# Altium PCB 11BRANMB10H_20170919.pcbdoc (part 6 of 7)
Units mm, origin at the board's own origin, x right, y up, seen from the top; angles counter-clockwise.
Board outline 91.65 x 48.25 mm, 6 copper layers (TOP, GND1, Singal, POWER, GND2, BOTTOM), stack 0.8 mm thick; 367 components, 288 nets, 1408 pads, 965 vias.
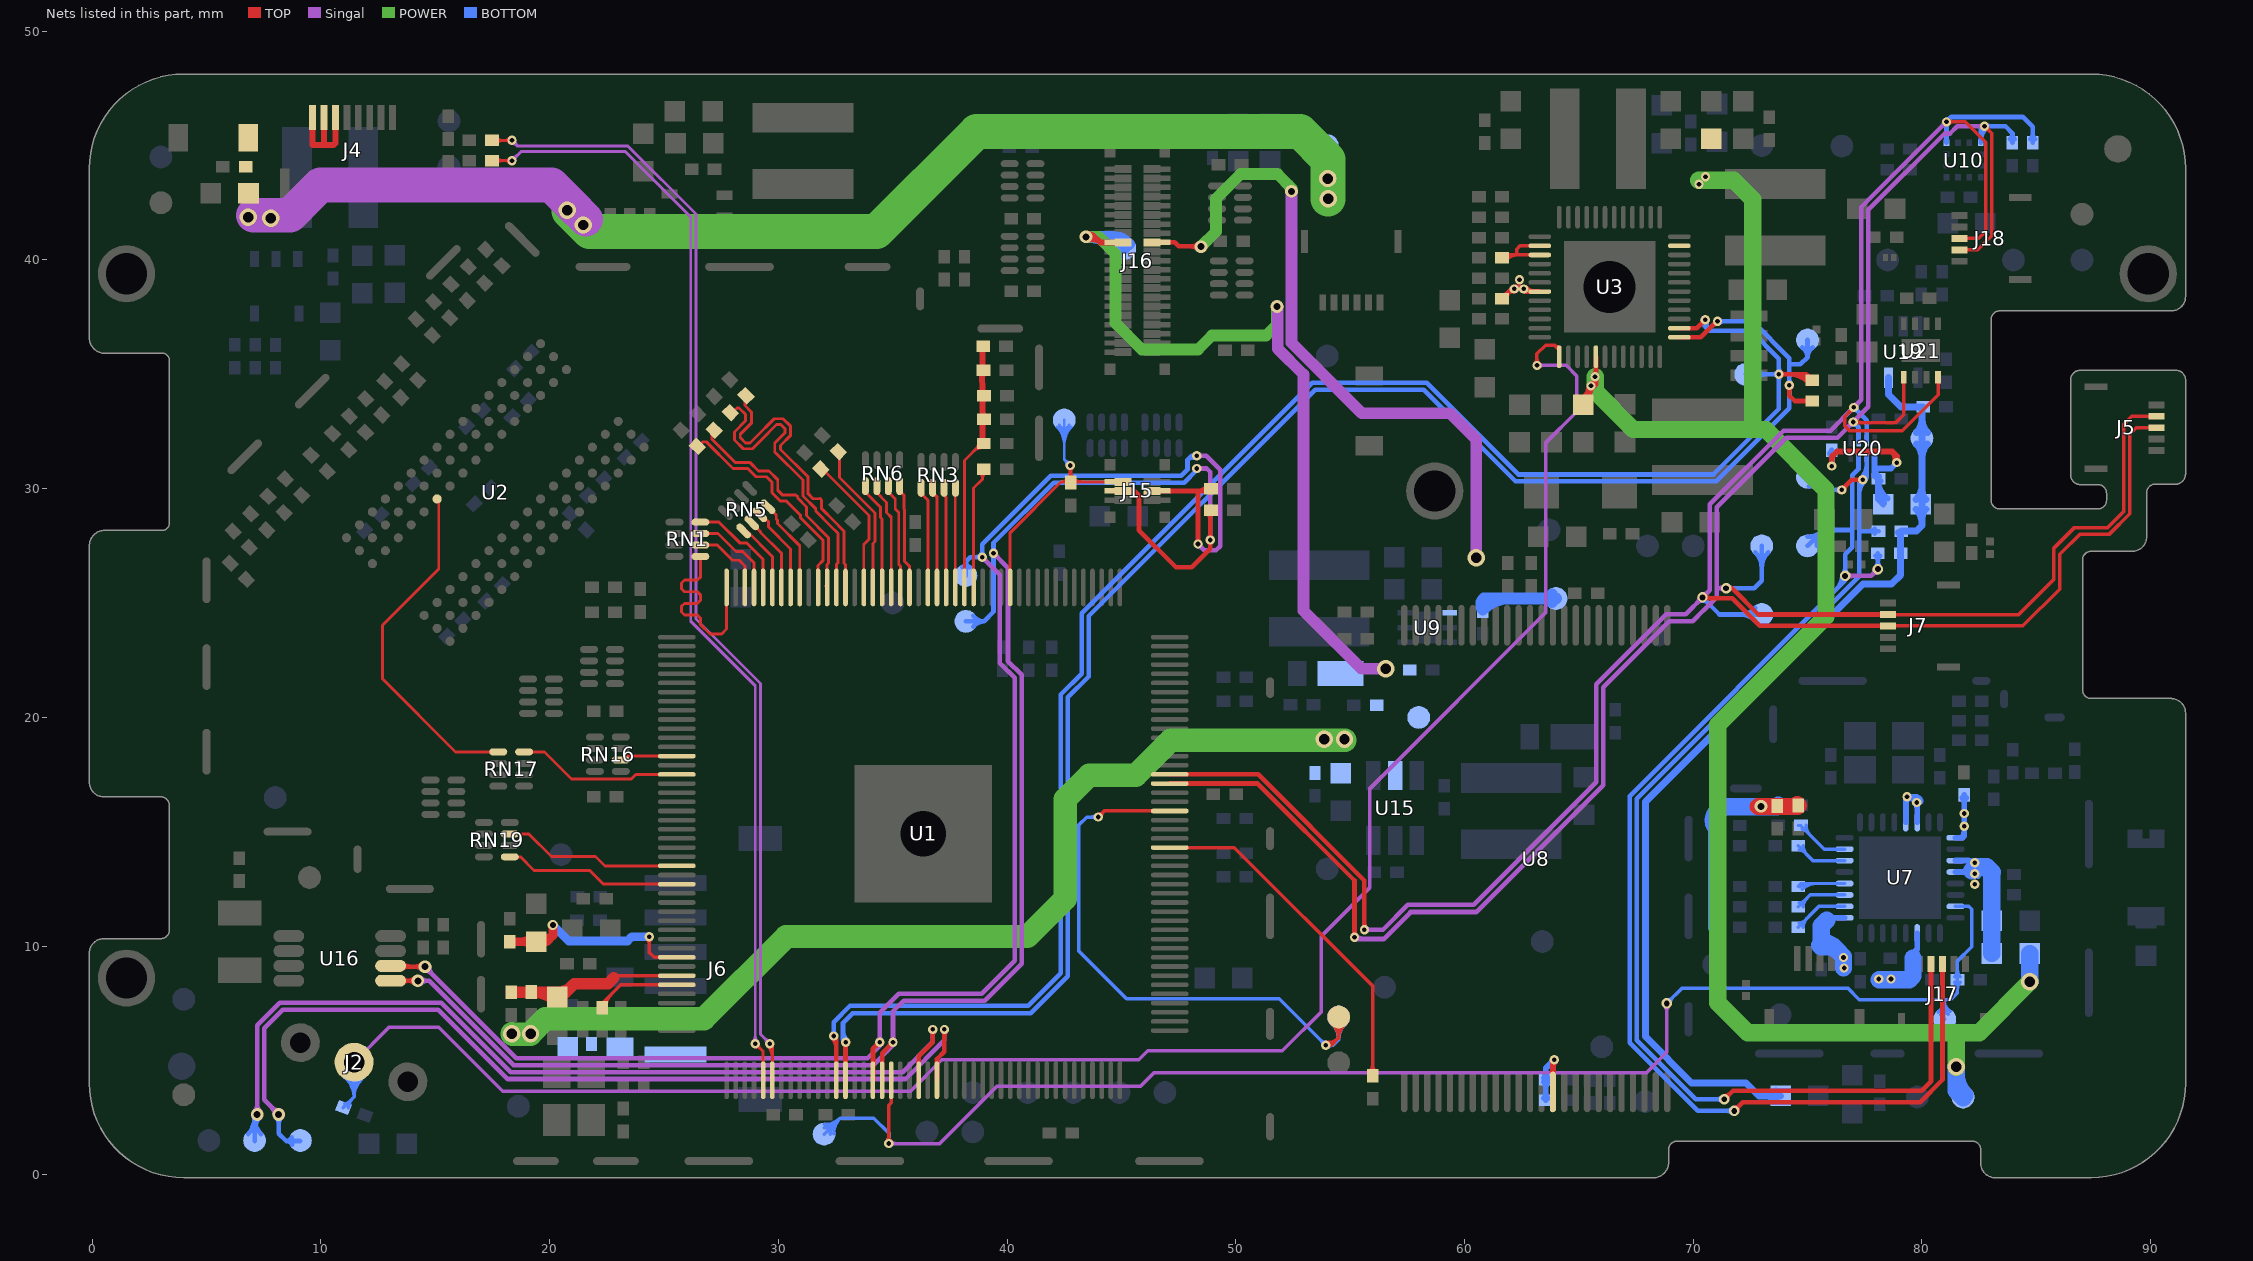
[diagram p10: the nets of this part, all layers, seen from the top]

## Via types
v1: diameter 0.406, hole 0.203, TOP to BOTTOM, tented both sides, 427 vias
v2: diameter 0.457, hole 0.254, TOP to BOTTOM, tented both sides, 256 vias
v3: diameter 0.559, hole 0.305, TOP to BOTTOM, tented both sides, 192 vias
v4: diameter 0.762, hole 0.457, TOP to BOTTOM, tented both sides, 69 vias
v5: diameter 0.61, hole 0.33, TOP to BOTTOM, tented both sides, 11 vias
v6: diameter 0.5, hole 0.2, TOP to BOTTOM, 9 vias
v7: diameter 0.508, hole 0.254, TOP to BOTTOM, tented both sides, 1 vias

## Nets (pads, with @x,y where several pads share a name; then routed paths per layer and width w, separated by ;. In a path a pad name is that pad's centre, name@x,y a point inside that pad or via, vN(x,y) a via of type N, cw(c..) or ccw(c..) an arc to the next point about the centre after c; other vN are vias at no path point) (continued)
SD_CMD_1: R170.2 U7.20 | length 3.2
  BOTTOM w0.152: R170.2@74.59,12.606 74.721,12.737 U7.20@76.618,12.737 ; R170.2@74.655,12.591 cw(c75.008,12.238) 75.008,12.737 ; R170.2@74.763,12.483 cw(c75.376,11.87) 75.376,12.737
SD_D0_1: R172.2 U7.22 | length 3
  BOTTOM w0.152: R172.2@74.59,14.384 75.237,13.737 U7.22@76.618,13.737 ; R172.2@74.64,14.21 cw(c74.64,13.912) 74.851,14.123 ; R172.2@74.814,14.384 ccw(c75.354,14.384) 74.972,14.002
SD_D1_1: R173.2 U7.23 | length 3.1
  BOTTOM w0.152: R173.2@74.59,15.273 74.691,15.273 74.7,15.264 75.727,14.237 U7.23@76.618,14.237 ; R173.2@74.765,15.105 cw(c74.765,14.879) R173.2@74.925,15.039 ; R173.2@74.939,15.279 ccw(c75.552,15.279) 75.119,14.846
SD_D2_1: R168.2 U7.18 | length 3.1
  BOTTOM w0.152: R168.2@74.59,10.828 75.499,11.737 U7.18@76.618,11.737 ; R168.2@74.64,11.002 ccw(c74.64,11.301) 74.851,11.09 ; R168.2@74.814,10.828 cw(c75.354,10.828) 74.972,11.21
SD_D3_1: R169.2 U7.19 | length 2.9
  BOTTOM w0.152: R169.2@74.59,11.717 75.11,12.237 U7.19@76.618,12.237 ; R169.2@74.64,11.891 ccw(c74.64,12.19) 74.851,11.979 ; R169.2@74.814,11.717 cw(c75.354,11.717) 74.972,12.099
SDQ0: RN3.5 U1.22 | length 4.5
  TOP w0.127: RN3.5@36.245,30.04 36.245,29.794 36.547,29.493 36.547,29.072 36.535,29.059 U1.22@36.535,25.683
SDQ1: RN1.8 U1.40 | length 4.6
  TOP w0.127: RN1.8@26.588,28.536 27.406,28.536 28.309,27.633 28.602,27.633 29.335,26.9 U1.40@29.335,25.683
SDQ2: RN3.6 U1.21 | length 4.4
  TOP w0.127: RN3.6@36.746,30.04 36.746,29.833 36.928,29.651 36.928,29.464 U1.21@36.935,25.683
SDQ3: RN1.7 U1.41 | length 4
  TOP w0.127: RN1.7@26.588,28.036 27.367,28.036 28.151,27.252 28.445,27.252 28.935,26.761 U1.41@28.935,25.683
SDQ4: RN3.8 U1.19 | length 4.4
  TOP w0.127: U1.19@37.735,25.683 37.735,29.48 RN3.8@37.746,30.04
SDQ5: RN1.5 U1.44 | length 8.9
  TOP w0.127: RN1.5@26.588,27.036 26.588,26.129 26.461,26.002 25.896,26.002 25.769,25.875 25.769,25.621 25.896,25.494 26.461,25.494 26.588,25.367 26.588,25.113 26.461,24.986 25.896,24.986 25.769,24.859 25.769,24.605 25.896,24.478 26.461,24.478 26.588,24.351 26.588,24.071 27.013,23.645 27.521,23.645 27.735,23.859 U1.44@27.735,25.683
SDQ6: RN3.7 U1.20 | length 5
  TOP w0.127: U1.20@37.335,25.683 37.335,27.03 37.326,27.04 37.335,27.576 37.335,29.623 37.309,29.649 ; RN3.7@37.245,30.04 RN3.7@37.309,29.809 ; RN3.7@37.245,30.04 RN3.7@37.278,29.84 ; RN3.7@37.245,30.04 37.245,29.872 RN3.7@37.278,29.84 ; RN3.7@37.278,29.84 RN3.7@37.309,29.809 ; RN3.7@37.278,29.84 37.309,29.649 ; 37.309,29.649 RN3.7@37.309,29.809
SDQ7: RN1.6 U1.42 | length 3.3
  TOP w0.127: RN1.6@26.588,27.536 27.328,27.536 27.993,26.871 28.287,26.871 28.535,26.623 U1.42@28.535,25.683
SDQ8: RN5.7 U1.37 | length 3.8
  TOP w0.127: RN5.7@29.19,28.858 29.267,28.858 29.577,28.548 29.577,28.32 30.535,27.362 U1.37@30.535,25.683
SDQ9: RN6.7 U1.25 | length 4.7
  TOP w0.127: RN6.7@34.807,30.116 34.807,29.857 35.109,29.555 35.109,29.112 35.264,28.957 35.264,26.692 35.335,26.621 U1.25@35.335,25.683
SDQ10: RN5.5 U1.39 | length 3.1
  TOP w0.127: RN5.5@28.483,28.151 28.623,28.151 29.735,27.039 U1.39@29.735,25.683
SDQ11: RN6.8 U1.24 | length 4.6
  TOP w0.127: RN6.8@35.307,30.116 35.307,29.896 35.49,29.713 35.49,29.117 35.518,29.089 35.518,26.825 35.735,26.608 U1.24@35.735,25.683
SDQ12: RN5.8 U1.36 | length 4.1
  TOP w0.127: RN5.8@29.544,29.212 29.909,28.846 29.909,28.678 29.958,28.628 29.958,28.478 30.935,27.501 U1.36@30.935,25.683
SDQ13: RN6.6 U1.26 | length 4.7
  TOP w0.127: RN6.6@34.307,30.116 34.307,29.818 34.728,29.397 34.728,28.954 34.935,28.747 U1.26@34.935,25.683
SDQ14: RN5.6 U1.38 | length 3.4
  TOP w0.127: RN5.6@28.836,28.505 29.225,28.116 29.225,28.088 30.135,27.178 U1.38@30.135,25.683
SDQ15: RN6.5 U1.27 | length 4.7
  TOP w0.127: RN6.5@33.807,30.116 33.807,29.848 34.474,29.181 34.474,28.74 34.535,28.679 U1.27@34.535,25.683
SDQM0: R76.1 U1.29 | length 6.1
  TOP w0.127: R76.1@31.905,30.819 31.976,30.819 33.966,28.829 33.966,27.79 33.735,27.56 U1.29@33.735,25.683
SDQM1: R77.1 U1.28 | length 6.6
  TOP w0.127: R77.1@32.667,31.581 32.667,30.487 34.22,28.935 34.22,27.685 34.135,27.6 U1.28@34.135,25.683
SDQS0: R72.1 U1.31 | length 13.6
  TOP w0.127: R72.1@28.629,34.019 28.539,33.93 28.539,33.634 28.818,33.355 28.818,32.862 28.334,32.378 28.334,32.234 28.567,32.002 28.764,32.002 28.996,32.234 29.819,33.057 30.208,33.057 30.538,32.727 30.538,32.337 30.095,31.894 30.095,31.714 31.304,30.506 31.304,29.776 31.519,29.561 31.825,29.561 31.83,29.566 31.89,29.506 31.89,29.125 31.916,29.099 32.412,28.602 32.862,28.153 32.862,26.763 32.935,26.69 U1.31@32.935,25.683
SDQS0-N: R73.1 U1.32 | length 13.3
  TOP w0.127: R73.1@27.943,33.282 28.189,33.529 28.286,33.529 28.564,33.25 28.564,32.967 28.08,32.484 28.08,32.129 28.461,31.748 28.869,31.748 29.25,32.129 29.924,32.803 30.103,32.803 30.284,32.622 30.284,32.443 29.841,31.999 29.841,31.609 31.075,30.375 31.075,29.682 31.636,29.121 31.636,29.019 31.662,28.994 32.307,28.348 32.608,28.047 32.608,26.763 32.535,26.69 U1.32@32.535,25.683
SDQS1: R74.1 U1.33 | length 10.1
  TOP w0.127: R74.1@27.232,32.52 27.09,32.378 27.09,32.169 28.122,31.136 28.768,31.136 29.129,30.775 29.587,30.775 29.973,30.389 29.973,29.932 30.188,29.716 30.776,29.716 30.846,29.646 30.846,29.587 31.23,29.204 31.23,28.825 32.198,27.857 32.198,26.743 32.135,26.681 U1.33@32.135,25.683 U1.33@32.068,25.75
SDQS1-N: R75.1 U1.34 | length 9.8
  TOP w0.127: R75.1@26.495,31.809 26.495,31.839 26.709,32.053 26.846,32.053 28.016,30.882 28.663,30.882 29.024,30.521 29.481,30.521 29.719,30.283 29.719,29.826 30.083,29.462 30.346,29.462 30.976,28.832 30.976,28.72 31.944,27.752 31.944,26.849 31.735,26.64 U1.34@31.735,25.683
SODT: RN19.5 U1.72 | length 7.8
  TOP w0.127: RN19.5@18.257,13.904 18.721,13.904 19.317,13.308 21.756,13.308 22.355,12.708 U1.72@25.56,12.708
SRAS: RN16.6 U1.58 | length 2.5
  TOP w0.127: RN16.6@23.11,18.141 23.277,18.308 U1.58@25.56,18.308
SRST: RN19.7 U1.70 | length 7.9
  TOP w0.127: RN19.7@18.257,14.904 19.089,14.904 20.075,13.917 22.009,13.917 22.418,13.508 U1.70@25.56,13.508
SVREF: C82.2 C84.1 C148.2 R89.1 R91.2 U1.18 | length 23.4
  TOP w0.127: U1.18@38.135,25.683 38.135,31.237 C148.2@38.875,31.977 ; 38.514,31.616 cw(c38.935,31.195) C148.2@38.935,31.79 ; 38.659,31.76 ccw(c38.442,31.977) C148.2@38.748,31.977 ; C84.1@38.789,35.048 cw(c38.496,34.755) 38.911,34.755 ; C148.2@38.803,32.108 ccw(c38.485,32.426) 38.934,32.426 ; R91.2@38.812,32.911 cw(c38.518,32.616) 38.934,32.616 ; R91.2@38.812,33.174 ccw(c38.518,33.468) 38.934,33.468 ; C82.2@38.812,33.939 cw(c38.518,33.645) 38.934,33.645 ; C82.2@38.812,34.203 ccw(c38.575,34.44) 38.911,34.441 ; 38.911,34.602 ccw(c39.475,34.602) C82.2@39.076,34.203 ; 38.911,34.705 cw(c39.396,34.705) C84.1@39.053,35.049 ; C84.1@38.91,35.18 C82.2@38.911,34.095 ; C148.2@38.923,31.984 C148.2@38.875,31.977 ; C148.2@38.925,31.985 C148.2@38.934,31.986 ; 38.934,32.428 ccw(c39.386,32.428) C148.2@39.067,32.108 ; 38.934,32.568 cw(c39.419,32.568) R91.2@39.076,32.911 ; 38.934,33.517 ccw(c39.419,33.517) R91.2@39.076,33.174 ; 38.934,33.597 cw(c39.419,33.597) C82.2@39.076,33.939 ; C148.2@38.875,31.977 38.925,31.977 C148.2@38.934,31.986 ; C82.2@38.911,34.095 C82.2@38.925,34.081 ; C82.2@38.911,34.095 C82.2@38.925,34.081 ; C82.2@38.925,34.081 C82.2@38.934,34.071 ; C82.2@38.925,34.081 C82.2@38.934,34.071 ; C148.2@38.934,31.986 38.934,33.042 C82.2@38.934,34.071
  TOP w0.152: R89.1@38.788,36.101 cw(c38.491,35.79) 38.921,35.801 ; R89.1@38.898,36.227 38.911,36.214 38.925,35.649 ; 38.921,35.815 cw(c39.33,35.825) R89.1@39.033,36.107
  TOP w0.227: C82.2@38.911,34.095 C82.2@38.925,34.071
  TOP w0.234: R91.2@38.925,33.043 R91.2@38.934,33.042
  TOP w0.254: R89.1@38.821,36.14 cw(c38.569,35.889) 38.925,35.889 ; C84.1@38.835,35.092 cw(c38.652,34.905) 38.914,34.908 ; C84.1@38.836,35.27 ccw(c38.657,35.46) 38.919,35.453 ; C148.2@38.848,32.064 ccw(c38.662,32.249) 38.925,32.249 ; R89.1@38.897,36.227 38.911,36.214 38.925,36.2 38.925,35.649 38.91,35.182 C84.1@38.91,35.18 ; C84.1@38.91,35.18 38.925,34.081 C82.2@38.925,34.071 ; 38.915,34.858 cw(c39.247,34.863) C84.1@39.009,35.094 ; 38.92,35.479 ccw(c39.198,35.471) C84.1@39.006,35.269 ; 38.92,34.415 ccw(c39.284,34.42) C82.2@39.03,34.159 ; C148.2@38.925,31.977 38.925,31.985 R91.2@38.925,33.042 ; 38.925,32.298 ccw(c39.256,32.298) C148.2@39.022,32.064 ; 38.925,32.698 cw(c39.289,32.698) R91.2@39.031,32.955 ; R91.2@38.925,33.043 C82.2@38.925,34.071 ; 38.925,33.387 ccw(c39.289,33.387) R91.2@39.031,33.129 ; 38.925,33.727 cw(c39.289,33.727) C82.2@39.031,33.984 ; 38.925,35.972 cw(c39.163,35.972) R89.1@38.995,36.14 ; C82.2@38.934,34.071 C82.2@38.925,34.071
SWE: RN17.8 U1.60 | length 7.2
  TOP w0.127: RN17.8@18.882,18.492 19.774,18.489 20.953,17.31 23.57,17.31 23.768,17.508 U1.60@25.56,17.508
SZQ: R94.2 U1.17 | length 6
  TOP w0.127: U1.17@38.535,25.683 38.535,30.024 38.925,30.414 ; R94.2@38.803,30.727 cw(c38.509,30.433) 38.925,30.433 ; R94.2@38.925,30.859 38.925,30.414 ; R94.2@39.06,30.721 ccw(c39.341,30.414) 38.925,30.414
TP-INT: J15.2 R177.1 TP30.1 U1.13 | length 17.8
  TOP w0.127: U1.13@40.135,25.683 40.135,28.075 42.36,30.3 ; 42.381,30.3 cw(c42.381,29.914) R177.1@42.654,30.187 ; R177.1@42.64,30.435 cw(c42.36,30.658) 42.36,30.3 ; R177.1@42.654,30.451 ccw(c42.397,30.708) 42.76,30.708 ; v1@42.662,30.915 cw(c42.423,30.676) 42.76,30.676 cw(c43.098,30.676) v1@42.859,30.915 ; v1@42.691,30.892 cw(c42.603,30.74) 42.772,30.786 ; v1@42.76,30.83 ccw(c43.297,30.83) 42.918,30.451 ccw(c43.281,30.814) 43.281,30.3 ; v1(42.76,31.013) R177.1@42.76,30.3 ; 42.811,30.641 cw(c43.125,30.725) v1@42.87,30.927 ; R177.1@42.918,30.187 cw(c43.191,29.914) 43.191,30.3 ; J15.2@44.33,30.26 ccw(c44.234,30.164) 44.234,30.3 ccw(c44.234,30.436) J15.2@44.33,30.34 ; J15.2@44.475,30.3 42.786,30.3 R177.1@42.76,30.3 ; J15.2@44.548,30.3 J15.2@45.065,30.3 ; J15.2@44.62,30.26 cw(c44.716,30.164) 44.716,30.3 cw(c44.716,30.436) J15.2@44.62,30.34 ; 42.36,30.3 R177.1@42.76,30.3
  BOTTOM w0.127: TP30.1@42.191,32.691 cw(c41.446,31.946) 42.5,31.946 cw(c43.554,31.946) TP30.1@42.809,32.691 ; TP30.1@42.281,32.781 cw(c41.753,32.253) 42.5,32.253 cw(c43.247,32.253) TP30.1@42.719,32.781 ; TP30.1@42.5,33 42.5,31.274 v1(42.76,31.013) ; v1@42.621,31.013 ccw(c42.283,31.013) 42.522,31.252 ccw(c42.76,31.49) v1@42.76,31.153
TS: J2.2 R178.2 U3.37 | length 90.9
  TOP w0.152: v1@63.078,35.48 ccw(c62.861,35.697) 63.168,35.697 ccw(c63.475,35.697) v1@63.258,35.48 ; v1(63.168,35.39) 63.168,35.898 63.549,36.279 63.93,36.279 ; U3.37@64.143,35.769 64.143,36.066 63.93,36.279 ; U3.37@64.143,36.193 cw(c64.138,36.487) 63.93,36.279
  Singal w0.152: J2.2@11.45,4.923 12.974,6.447 15.154,6.447 17.948,3.653 35.779,3.653 37.151,5.025 45.762,5.025 46.155,5.418 52.029,5.418 53.746,7.135 53.746,10.443 55.867,12.564 55.867,16.891 63.544,24.569 63.544,31.997 64.909,33.362 64.909,34.925 64.444,35.39 v1(63.168,35.39) ; v1@63.258,35.3 cw(c63.475,35.083) 63.475,35.39 cw(c63.475,35.697) v1@63.258,35.48
  BOTTOM w0.152: R178.2@10.984,2.942 11.45,3.408 ; J2.2@10.997,4.296 cw(c10.355,3.409) 11.45,3.409 ; R178.2@11.031,3.099 ccw(c11.031,3.364) 11.218,3.176 ; J2.2@11.086,4.419 cw(c10.571,3.707) 11.45,3.707 cw(c12.329,3.707) J2.2@11.814,4.419 ; J2.2@11.175,4.543 cw(c10.786,4.005) 11.45,4.005 cw(c12.114,4.005) J2.2@11.725,4.543 ; R178.2@11.205,2.925 cw(c11.779,2.925) 11.373,3.331 ; J2.2@11.45,4.923 11.45,3.408 ; J2.2@11.903,4.296 ccw(c12.545,3.409) 11.45,3.409
TWI0-SCK: R8.2 TP7.1 U1.101 U3.2 | length 85.1
  TOP w0.203: v1@32.351,5.994 cw(c31.907,5.55) 32.535,5.55 ; v1(32.423,6.066) 32.535,5.954 U1.101@32.535,4.133 ; U3.2@69.393,37.019 70.158,37.019 v1(70.523,37.384) ; v1@70.421,37.384 cw(c70.176,37.384) 70.35,37.211 cw(c70.523,37.038) v1@70.523,37.283 ; v1(73.748,35.001) 74.95,35.001 ; v1@73.82,34.929 cw(c73.994,34.756) 73.994,35.001 cw(c73.994,35.246) v1@73.82,35.073 ; 74.183,35.001 cw(c74.183,33.776) R8.2@75.049,34.642 ; 74.673,35.001 cw(c74.673,34.266) R8.2@75.193,34.786 ; R8.2@74.986,34.965 ccw(c75.154,35.133) R8.2@75.154,34.896 ; R8.2@75.01,34.783 ccw(c74.788,34.839) 74.95,35.001 ; R8.2@75.204,34.747 74.95,35.001
  BOTTOM w0.203: v1@32.351,6.138 ccw(c32.178,6.311) 32.423,6.311 ccw(c32.668,6.311) v1@32.495,6.138 ; v1(32.423,6.066) 32.423,6.677 33.133,7.387 40.932,7.387 42.354,8.809 42.354,21.001 43.269,21.915 43.269,24.559 53.343,34.633 58.347,34.633 62.356,30.623 70.887,30.623 73.748,33.485 v1(73.748,35.001) ; v1@70.43,37.425 ccw(c70.685,37.315) 70.488,37.118 ; v1@70.451,37.313 cw(c70.278,37.139) 70.523,37.139 cw(c70.768,37.139) v1@70.595,37.313 ; v1(70.523,37.384) 70.523,37.084 70.7,36.906 ; v1@70.616,37.344 ccw(c70.981,37.187) 70.7,36.906 ; TP7.1@72.3,35 72.301,35.001 v1(73.748,35.001) ; TP7.1@72.582,34.718 cw(c73.265,34.035) 73.265,35.001 ; TP7.1@72.582,35.282 ccw(c73.259,35.959) 73.259,35.001 ; v1@73.82,34.929 ccw(c73.994,34.756) 73.748,34.756 ccw(c73.503,34.756) 73.677,34.929 ccw(c73.503,34.756) 73.503,35.001 ccw(c73.503,35.246) 73.677,35.073 ccw(c73.503,35.246) 73.748,35.246 ccw(c73.994,35.246) v1@73.82,35.073 ; 70.7,36.906 72.529,36.906 73.748,35.687 v1(73.748,35.001)
TWI0-SDA: R7.2 TP6.1 U1.102 U3.1 | length 82.5
  TOP w0.127: v1@32.935,5.792 v1(32.942,5.799)
  TOP w0.203: v1@32.87,5.727 cw(c32.713,5.57) 32.935,5.57 ; U1.102@32.935,4.133 v1@32.935,5.792 ; 32.935,5.537 cw(c33.204,5.537) v1@33.014,5.727 ; U3.1@69.393,36.619 70.332,36.619 71.03,37.317 v1(71.064,37.317) ; 70.833,37.12 cw(c71.064,36.889) v1@71.064,37.215 ; v1@74.134,34.447 cw(c73.96,34.273) 74.206,34.273 cw(c74.451,34.273) v1@74.277,34.447 ; v1(74.206,34.519) 74.206,34.061 74.434,33.833 R7.2@75.204,33.833 R7.2@75.23,33.833 ; R7.2@75.049,33.728 ccw(c74.796,33.475) 74.796,33.833 ccw(c74.796,34.191) R7.2@75.049,33.938
  BOTTOM w0.203: 32.829,6.316 ccw(c33.459,6.316) v1@33.014,5.871 ; v1(32.942,5.799) 32.829,5.912 32.829,6.642 33.244,7.056 41.032,7.056 42.659,8.683 42.659,20.874 43.574,21.789 43.574,24.433 53.469,34.328 58.22,34.328 62.23,30.318 71.013,30.318 74.206,33.511 v1(74.206,34.519) 74.206,35.433 ; v1(71.064,37.317) 72.601,37.317 74.206,35.712 74.206,35.433 ; v1@71.136,37.245 cw(c71.309,37.072) 71.309,37.317 cw(c71.309,37.562) v1@71.136,37.389 ; v1@74.134,34.447 cw(c73.96,34.273) 74.206,34.273 cw(c74.451,34.273) v1@74.277,34.447 ; v1@74.134,34.59 ccw(c73.96,34.764) 74.206,34.764 ccw(c74.451,34.764) v1@74.277,34.59 ; TP6.1@74.775,36.171 cw(c74.483,35.745) 75,35.745 ; TP6.1@75,36.5 75,35.745 ; TP6.1@75.225,36.171 ccw(c75.517,35.745) 75,35.745 ; 74.206,35.433 74.688,35.433 75,35.745
TWI1-SCK: J15.3 R6.2 TP28.1 U1.105 U16.6 | length 82.9
  TOP w0.203: U16.6@13.048,9.14 U16.6@13.044,9.135 13.079,9.1 v3(14.548,9.1) ; U16.6@13.571,9.023 cw(c13.756,8.838) 13.756,9.1 ; U16.6@13.571,9.247 ccw(c13.926,9.602) 13.926,9.1 ; v3@14.422,8.975 ccw(c14.119,8.671) 14.119,9.1 ccw(c14.119,9.53) v3@14.422,9.226 ; U1.105@34.135,4.133 34.135,5.505 v1(34.43,5.799) ; v1@34.328,5.799 cw(c34.083,5.799) 34.256,5.626 cw(c34.43,5.452) v1@34.43,5.697 ; J15.3@46.335,29.9 J15.3@46.925,29.9 48.825,29.9 R6.2@48.916,29.991 ; v1@48.277,27.652 ccw(c48.104,27.825) 48.349,27.825 ccw(c48.594,27.825) v1@48.421,27.652 ; 48.288,29.9 ccw(c48.288,30.568) R6.2@48.761,30.096 ; v1(48.349,27.58) 48.349,29.875
  Singal w0.203: v3@14.548,8.923 cw(c14.548,8.493) 14.852,8.797 cw(c15.155,9.1) v3@14.726,9.1 ; v3(14.548,9.1) 18.548,5.101 33.896,5.101 34.43,5.634 v1(34.43,5.799) 34.43,7.082 35.268,7.92 38.9,7.92 40.333,9.354 40.333,21.731 39.687,22.377 39.687,26.232 v1(38.911,27.008) ; 34.14,5.345 ccw(c33.685,5.799) v1@34.328,5.799 ; v1@34.358,5.871 ccw(c34.184,6.044) 34.43,6.044 ccw(c34.675,6.044) v1@34.501,5.871 ; v1@38.911,26.906 cw(c38.911,26.661) 39.084,26.835 cw(c39.258,27.008) v1@39.013,27.008 ; v1(48.298,31.441) 48.704,31.441 49.314,30.831 49.314,27.478 49.136,27.301 48.628,27.301 v1(48.349,27.58) ; v1@48.349,27.478 cw(c48.349,27.233) 48.522,27.407 cw(c48.696,27.58) v1@48.45,27.58 ; v1@48.37,31.369 cw(c48.543,31.196) 48.543,31.441 cw(c48.543,31.686) v1@48.37,31.513
  BOTTOM w0.203: TP28.1@38.041,26.565 ccw(c37.934,26.809) 38.2,26.809 ; TP28.1@38.2,26.2 38.2,26.809 ; TP28.1@38.359,26.565 cw(c38.466,26.809) 38.2,26.809 ; v1@38.839,26.936 ccw(c38.666,26.763) 38.666,27.008 ccw(c38.666,27.253) 38.839,27.08 ccw(c38.666,27.253) 38.911,27.253 ccw(c39.156,27.253) v1@38.983,27.08 ; v1@48.223,31.373 ccw(c48.069,31.234) 48.069,31.441 ; v1@48.223,31.509 cw(c48.069,31.647) 48.069,31.441 ; v1@48.263,31.345 ccw(c48.142,31.013) 47.892,31.263 ; v1(48.298,31.441) 48.069,31.441 ; 38.2,26.809 38.399,27.008 v1(38.911,27.008) 38.911,27.57 41.912,30.571 47.622,30.571 47.892,30.841 47.892,31.263 ; 47.892,31.263 48.069,31.441
TWI1-SDA: J15.4 R5.2 TP29.1 U1.106 U16.5 | length 87
  TOP w0.127: J15.4@44.475,29.9 J15.4@45.065,29.9 ; J15.4@44.62,29.86 cw(c44.716,29.764) 44.716,29.9 cw(c44.716,30.036) J15.4@44.62,29.94
  TOP w0.203: U16.5@13.082,8.524 U16.5@13.044,8.485 13.045,8.484 v3(14.236,8.484) ; U16.5@13.571,8.373 cw(c13.837,8.107) 13.837,8.484 ; U16.5@13.571,8.597 ccw(c13.845,8.872) 13.845,8.484 ; v3@14.11,8.358 ccw(c13.807,8.054) 13.807,8.484 ccw(c13.807,8.913) v3@14.11,8.609 ; U1.106@34.535,4.133 34.535,5.32 v1(35.014,5.799) ; v1@34.912,5.799 cw(c34.667,5.799) 34.84,5.626 cw(c35.014,5.452) v1@35.014,5.697 ; J15.4@45.065,29.9 45.582,29.9 45.767,29.716 45.767,28.189 47.387,26.568 48.079,26.568 48.882,27.371 v1(48.882,27.758) 48.882,29.057 48.882,29.119 R5.2@48.89,29.127 ; R5.2@48.764,28.952 cw(c48.48,28.668) 48.882,28.668 ; v1@48.81,27.686 cw(c48.637,27.513) 48.882,27.513 cw(c49.127,27.513) v1@48.954,27.686 ; v1@48.81,27.83 ccw(c48.637,28.003) 48.882,28.003 ccw(c49.127,28.003) v1@48.954,27.83 ; 48.882,28.73 cw(c49.197,28.73) R5.2@48.974,28.952
  Singal w0.203: v3(14.236,8.484) 14.734,8.484 18.421,4.796 34.15,4.796 35.014,5.66 v1(35.014,5.799) 35.014,7.145 35.484,7.616 39.026,7.616 40.638,9.228 40.638,21.857 40.038,22.457 40.038,26.544 v1(39.408,27.174) ; v3@14.362,8.358 cw(c14.665,8.054) 14.665,8.484 cw(c14.665,8.913) v3@14.362,8.609 ; 34.742,5.388 ccw(c34.331,5.799) v1@34.912,5.799 ; v1@34.942,5.871 ccw(c34.769,6.044) 35.014,6.044 ccw(c35.259,6.044) v1@35.086,5.871 ; v1@39.408,27.072 cw(c39.408,26.827) 39.581,27 cw(c39.755,27.174) v1@39.51,27.174 ; v1(48.298,30.882) 48.73,30.882 48.882,30.73 v1(48.882,27.758) ; v1@48.37,30.81 cw(c48.543,30.637) 48.543,30.882 cw(c48.543,31.127) v1@48.37,30.954 ; v1@48.81,27.83 ccw(c48.637,28.003) 48.882,28.003 ccw(c49.127,28.003) v1@48.954,27.83
  BOTTOM w0.203: TP29.1@38.2,24.2 38.995,24.2 ; TP29.1@38.519,23.962 cw(c38.995,23.606) 38.995,24.2 ; TP29.1@38.519,24.438 ccw(c38.995,24.794) 38.995,24.2 ; v1@39.336,27.102 cw(c39.163,26.928) 39.408,26.928 cw(c39.653,26.928) v1@39.48,27.102 ; v1@39.336,27.245 ccw(c39.163,27.419) 39.408,27.419 ccw(c39.653,27.419) v1@39.48,27.245 ; v1(48.298,30.882) 48.298,30.816 47.748,30.266 42.039,30.266 39.408,27.636 v1(39.408,27.174) 39.408,24.613 38.995,24.2
TWI2-SCK: J5.3 J7.3 J18.3 R4.2 TP35.1 U1.161 U10.1 U20.7 U21.4 | length 122.2
  TOP w0.152: v1@76.898,33.553 cw(c76.591,33.553) 76.808,33.337 cw(c77.025,33.12) v1@77.025,33.426 ; v1(77.025,33.553) 76.619,33.147 76.619,32.752 76.834,32.537 79.145,32.537 80.714,34.106 80.714,34.866 U21.4@80.714,34.904 ; J7.3@78.52,24 84.418,24 86.028,25.611 86.028,27.127 86.917,28.016 88.205,28.016 89.09,28.902 89.09,32.385 89.369,32.664 J5.3@90.263,32.664 ; J7.3@78.773,23.948 cw(c78.899,23.822) 78.899,24 cw(c78.899,24.178) J7.3@78.773,24.052 ; U21.4@80.668,34.681 cw(c80.557,34.571) 80.714,34.571 ; v1(81.076,46.037) 81.894,46.037 82.791,45.14 82.791,41.245 82.488,40.942 J18.3@81.648,40.942 ; v1@81.166,45.947 cw(c81.383,45.731) 81.383,46.037 cw(c81.383,46.344) v1@81.166,46.127 ; J18.3@81.9,40.89 cw(c82.026,40.764) 82.026,40.942 cw(c82.026,41.12) J18.3@81.9,40.994 ; J5.3@90.01,32.612 ccw(c89.884,32.486) 89.884,32.664 ccw(c89.884,32.843) J5.3@90.01,32.717